# Altium PCB PCB4.PcbDoc (part 9 of 12)
Units mil, origin at the board's own origin, x right, y up, seen from the top; angles counter-clockwise.
Board outline 9204.7 x 4350.39 mil, 4 copper layers (Top Layer, Layer 1, Layer 2, Bottom Layer), stack 23.756 mil thick; 1824 components, 1732 nets, 6090 pads, 1022 vias.
Unrouted connection lines stored in the file: 2463.
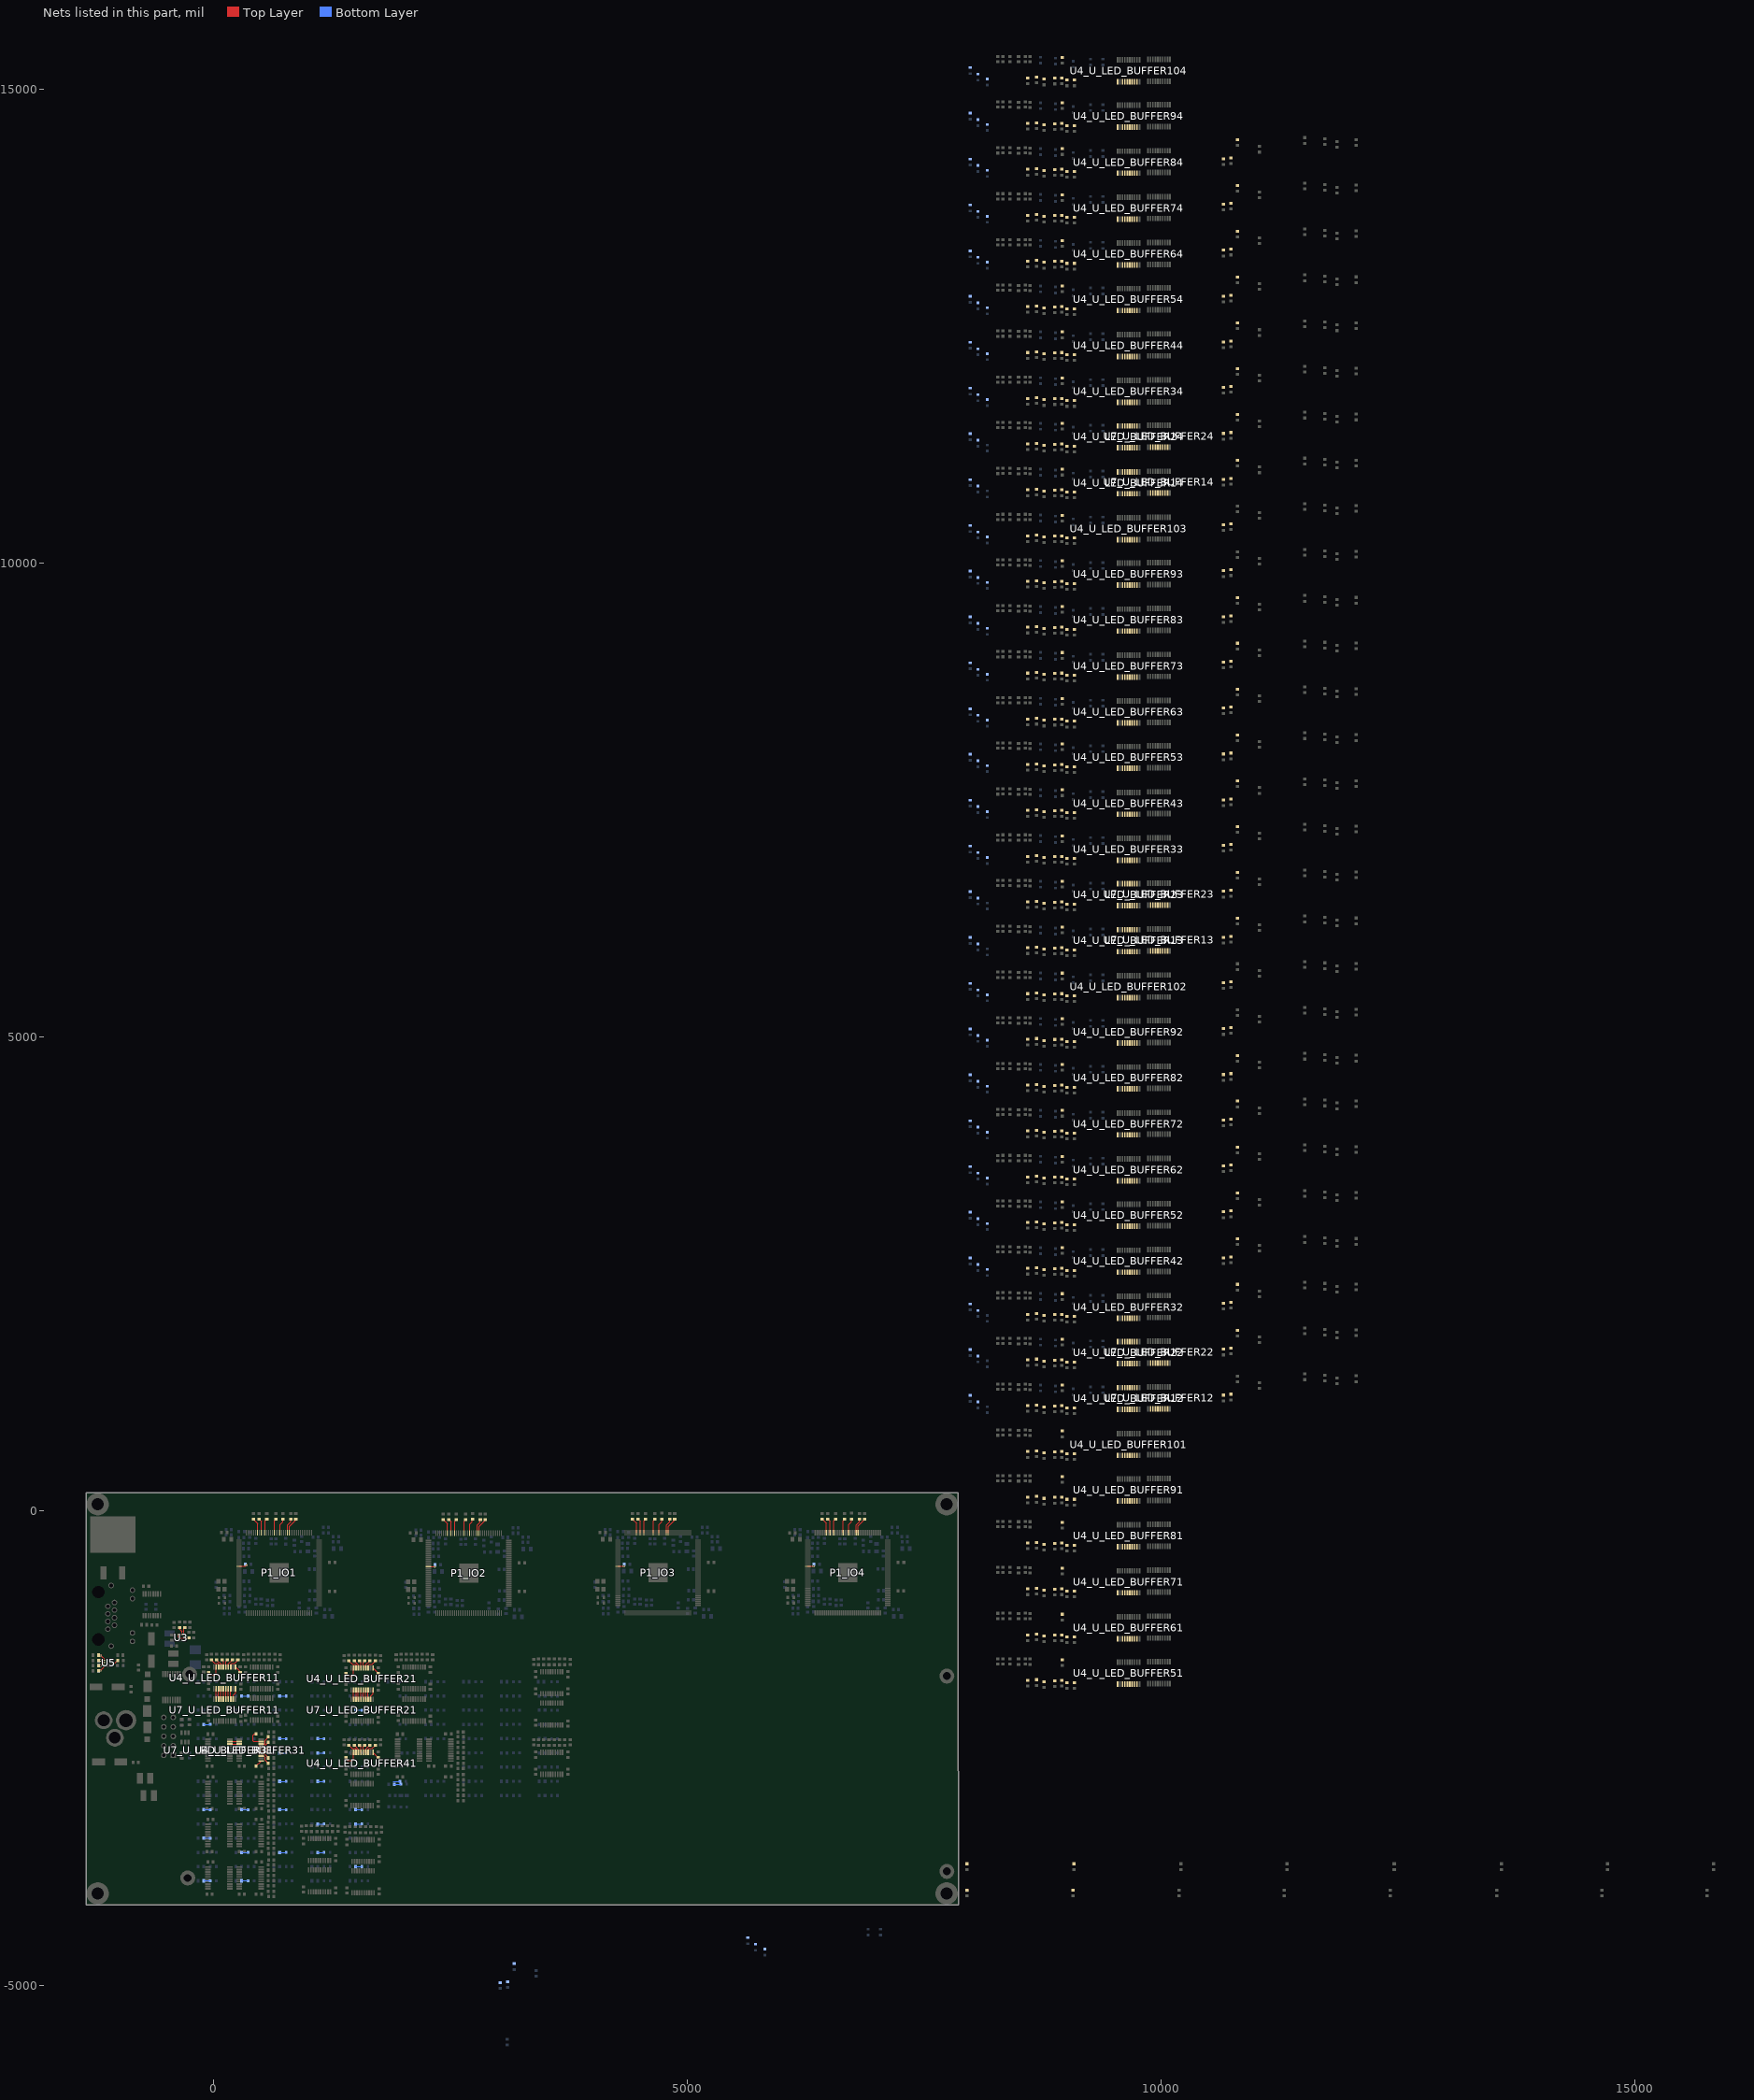
[diagram p11: the nets of this part, all layers, seen from the top]

## Via types
v1: diameter 24, hole 12, Top Layer to Bottom Layer, 1022 vias

## Nets (pads, with @x,y where several pads share a name; then routed paths per layer and width w, separated by ;. In a path a pad name is that pad's centre, name@x,y a point inside that pad or via, vN(x,y) a via of type N, cw(c..) or ccw(c..) an arc to the next point about the centre after c; other vN are vias at no path point) (continued)
NetD12_U_LED_BUFFER33_2: D12_U_LED_BUFFER33.2 R27_U_LED_BUFFER33.1
NetD12_U_LED_BUFFER34_2: D12_U_LED_BUFFER34.2 R27_U_LED_BUFFER34.1
NetD12_U_LED_BUFFER41_2: D12_U_LED_BUFFER41.2 R27_U_LED_BUFFER41.1 | length 68.5
  Bottom Layer w7: R27_U_LED_BUFFER41.1@1500,-3150 D12_U_LED_BUFFER41.2@1568.5,-3150
NetD12_U_LED_BUFFER42_2: D12_U_LED_BUFFER42.2 R27_U_LED_BUFFER42.1
NetD12_U_LED_BUFFER43_2: D12_U_LED_BUFFER43.2 R27_U_LED_BUFFER43.1
NetD12_U_LED_BUFFER44_2: D12_U_LED_BUFFER44.2 R27_U_LED_BUFFER44.1
NetD12_U_LED_BUFFER51_2: D12_U_LED_BUFFER51.2 R27_U_LED_BUFFER51.1 | length 68.5
  Bottom Layer w7: R27_U_LED_BUFFER51.1@700,-2850 D12_U_LED_BUFFER51.2@768.5,-2850
NetD12_U_LED_BUFFER52_2: D12_U_LED_BUFFER52.2 R27_U_LED_BUFFER52.1
NetD12_U_LED_BUFFER53_2: D12_U_LED_BUFFER53.2 R27_U_LED_BUFFER53.1
NetD12_U_LED_BUFFER54_2: D12_U_LED_BUFFER54.2 R27_U_LED_BUFFER54.1
NetD12_U_LED_BUFFER61_2: D12_U_LED_BUFFER61.2 R27_U_LED_BUFFER61.1 | length 68.5
  Bottom Layer w7: R27_U_LED_BUFFER61.1@-100,-3150 D12_U_LED_BUFFER61.2@-31.5,-3150
NetD12_U_LED_BUFFER62_2: D12_U_LED_BUFFER62.2 R27_U_LED_BUFFER62.1
NetD12_U_LED_BUFFER63_2: D12_U_LED_BUFFER63.2 R27_U_LED_BUFFER63.1
NetD12_U_LED_BUFFER64_2: D12_U_LED_BUFFER64.2 R27_U_LED_BUFFER64.1
NetD12_U_LED_BUFFER71_2: D12_U_LED_BUFFER71.2 R27_U_LED_BUFFER71.1 | length 68.5
  Bottom Layer w7: R27_U_LED_BUFFER71.1@1100,-3300 D12_U_LED_BUFFER71.2@1168.5,-3300
NetD12_U_LED_BUFFER72_2: D12_U_LED_BUFFER72.2 R27_U_LED_BUFFER72.1
NetD12_U_LED_BUFFER73_2: D12_U_LED_BUFFER73.2 R27_U_LED_BUFFER73.1
NetD12_U_LED_BUFFER74_2: D12_U_LED_BUFFER74.2 R27_U_LED_BUFFER74.1
NetD12_U_LED_BUFFER81_2: D12_U_LED_BUFFER81.2 R27_U_LED_BUFFER81.1 | length 68.5
  Bottom Layer w7: R27_U_LED_BUFFER81.1@300,-3600 D12_U_LED_BUFFER81.2@368.5,-3600
NetD12_U_LED_BUFFER82_2: D12_U_LED_BUFFER82.2 R27_U_LED_BUFFER82.1
NetD12_U_LED_BUFFER83_2: D12_U_LED_BUFFER83.2 R27_U_LED_BUFFER83.1
NetD12_U_LED_BUFFER84_2: D12_U_LED_BUFFER84.2 R27_U_LED_BUFFER84.1
NetD12_U_LED_BUFFER91_2: D12_U_LED_BUFFER91.2 R27_U_LED_BUFFER91.1 | length 68.5
  Bottom Layer w7: R27_U_LED_BUFFER91.1@1500,-3750 D12_U_LED_BUFFER91.2@1568.5,-3750
NetD12_U_LED_BUFFER92_2: D12_U_LED_BUFFER92.2 R27_U_LED_BUFFER92.1
NetD12_U_LED_BUFFER93_2: D12_U_LED_BUFFER93.2 R27_U_LED_BUFFER93.1
NetD12_U_LED_BUFFER94_2: D12_U_LED_BUFFER94.2 R27_U_LED_BUFFER94.1
NetD12_U_LED_BUFFER101_2: D12_U_LED_BUFFER101.2 R27_U_LED_BUFFER101.1
NetD12_U_LED_BUFFER102_2: D12_U_LED_BUFFER102.2 R27_U_LED_BUFFER102.1
NetD12_U_LED_BUFFER103_2: D12_U_LED_BUFFER103.2 R27_U_LED_BUFFER103.1
NetD12_U_LED_BUFFER104_2: D12_U_LED_BUFFER104.2 R27_U_LED_BUFFER104.1
NetD13_U_LED_BUFFER11_2: D13_U_LED_BUFFER11.2 R45_U_LED_BUFFER11.1 | length 68.5
  Bottom Layer w7: R45_U_LED_BUFFER11.1@300,-1950 D13_U_LED_BUFFER11.2@368.5,-1950
NetD13_U_LED_BUFFER12_2: D13_U_LED_BUFFER12.2 R45_U_LED_BUFFER12.1
NetD13_U_LED_BUFFER13_2: D13_U_LED_BUFFER13.2 R45_U_LED_BUFFER13.1
NetD13_U_LED_BUFFER14_2: D13_U_LED_BUFFER14.2 R45_U_LED_BUFFER14.1
NetD13_U_LED_BUFFER21_2: D13_U_LED_BUFFER21.2 R45_U_LED_BUFFER21.1 | length 68.5
  Bottom Layer w7: R45_U_LED_BUFFER21.1@1500,-2100 D13_U_LED_BUFFER21.2@1568.5,-2100
NetD13_U_LED_BUFFER22_2: D13_U_LED_BUFFER22.2 R45_U_LED_BUFFER22.1
NetD13_U_LED_BUFFER23_2: D13_U_LED_BUFFER23.2 R45_U_LED_BUFFER23.1
NetD13_U_LED_BUFFER24_2: D13_U_LED_BUFFER24.2 R45_U_LED_BUFFER24.1
NetD13_U_LED_BUFFER31_2: D13_U_LED_BUFFER31.2 R45_U_LED_BUFFER31.1 | length 68.5
  Bottom Layer w7: R45_U_LED_BUFFER31.1@700,-2400 D13_U_LED_BUFFER31.2@768.5,-2400
NetD13_U_LED_BUFFER32_2: D13_U_LED_BUFFER32.2 R45_U_LED_BUFFER32.1
NetD13_U_LED_BUFFER33_2: D13_U_LED_BUFFER33.2 R45_U_LED_BUFFER33.1
NetD13_U_LED_BUFFER34_2: D13_U_LED_BUFFER34.2 R45_U_LED_BUFFER34.1
NetD13_U_LED_BUFFER41_2: D13_U_LED_BUFFER41.2 R45_U_LED_BUFFER41.1 | length 68.5
  Bottom Layer w7: R45_U_LED_BUFFER41.1@1100,-2550 D13_U_LED_BUFFER41.2@1168.5,-2550
NetD13_U_LED_BUFFER42_2: D13_U_LED_BUFFER42.2 R45_U_LED_BUFFER42.1
NetD13_U_LED_BUFFER43_2: D13_U_LED_BUFFER43.2 R45_U_LED_BUFFER43.1
NetD13_U_LED_BUFFER44_2: D13_U_LED_BUFFER44.2 R45_U_LED_BUFFER44.1
NetD13_U_LED_BUFFER51_2: D13_U_LED_BUFFER51.2 R45_U_LED_BUFFER51.1 | length 68.5
  Bottom Layer w7: R45_U_LED_BUFFER51.1@1100,-2850 D13_U_LED_BUFFER51.2@1168.5,-2850
NetD13_U_LED_BUFFER52_2: D13_U_LED_BUFFER52.2 R45_U_LED_BUFFER52.1
NetD13_U_LED_BUFFER53_2: D13_U_LED_BUFFER53.2 R45_U_LED_BUFFER53.1
NetD13_U_LED_BUFFER54_2: D13_U_LED_BUFFER54.2 R45_U_LED_BUFFER54.1
NetD13_U_LED_BUFFER61_2: D13_U_LED_BUFFER61.2 R45_U_LED_BUFFER61.1 | length 68.5
  Bottom Layer w7: R45_U_LED_BUFFER61.1@300,-3150 D13_U_LED_BUFFER61.2@368.5,-3150
NetD13_U_LED_BUFFER62_2: D13_U_LED_BUFFER62.2 R45_U_LED_BUFFER62.1
NetD13_U_LED_BUFFER63_2: D13_U_LED_BUFFER63.2 R45_U_LED_BUFFER63.1
NetD13_U_LED_BUFFER64_2: D13_U_LED_BUFFER64.2 R45_U_LED_BUFFER64.1
NetD13_U_LED_BUFFER71_2: D13_U_LED_BUFFER71.2 R45_U_LED_BUFFER71.1 | length 68.5
  Bottom Layer w7: R45_U_LED_BUFFER71.1@1500,-3300 D13_U_LED_BUFFER71.2@1568.5,-3300
NetD13_U_LED_BUFFER72_2: D13_U_LED_BUFFER72.2 R45_U_LED_BUFFER72.1
NetD13_U_LED_BUFFER73_2: D13_U_LED_BUFFER73.2 R45_U_LED_BUFFER73.1
NetD13_U_LED_BUFFER74_2: D13_U_LED_BUFFER74.2 R45_U_LED_BUFFER74.1
NetD13_U_LED_BUFFER81_2: D13_U_LED_BUFFER81.2 R45_U_LED_BUFFER81.1 | length 68.5
  Bottom Layer w7: R45_U_LED_BUFFER81.1@700,-3600 D13_U_LED_BUFFER81.2@768.5,-3600
NetD13_U_LED_BUFFER82_2: D13_U_LED_BUFFER82.2 R45_U_LED_BUFFER82.1
NetD13_U_LED_BUFFER83_2: D13_U_LED_BUFFER83.2 R45_U_LED_BUFFER83.1
NetD13_U_LED_BUFFER84_2: D13_U_LED_BUFFER84.2 R45_U_LED_BUFFER84.1
NetD13_U_LED_BUFFER91_2: D13_U_LED_BUFFER91.2 R45_U_LED_BUFFER91.1 | length 68.5
  Bottom Layer w7: R45_U_LED_BUFFER91.1@-100,-3900 D13_U_LED_BUFFER91.2@-31.5,-3900
NetD13_U_LED_BUFFER92_2: D13_U_LED_BUFFER92.2 R45_U_LED_BUFFER92.1
NetD13_U_LED_BUFFER93_2: D13_U_LED_BUFFER93.2 R45_U_LED_BUFFER93.1
NetD13_U_LED_BUFFER94_2: D13_U_LED_BUFFER94.2 R45_U_LED_BUFFER94.1
NetD13_U_LED_BUFFER101_2: D13_U_LED_BUFFER101.2 R45_U_LED_BUFFER101.1
NetD13_U_LED_BUFFER102_2: D13_U_LED_BUFFER102.2 R45_U_LED_BUFFER102.1
NetD13_U_LED_BUFFER103_2: D13_U_LED_BUFFER103.2 R45_U_LED_BUFFER103.1
NetD13_U_LED_BUFFER104_2: D13_U_LED_BUFFER104.2 R45_U_LED_BUFFER104.1
NetD14_U_LED_BUFFER11_2: D14_U_LED_BUFFER11.2 R46_U_LED_BUFFER11.1 | length 68.5
  Bottom Layer w7: R46_U_LED_BUFFER11.1@700,-1950 D14_U_LED_BUFFER11.2@768.5,-1950
NetD14_U_LED_BUFFER12_2: D14_U_LED_BUFFER12.2 R46_U_LED_BUFFER12.1
NetD14_U_LED_BUFFER13_2: D14_U_LED_BUFFER13.2 R46_U_LED_BUFFER13.1
NetD14_U_LED_BUFFER14_2: D14_U_LED_BUFFER14.2 R46_U_LED_BUFFER14.1
NetD14_U_LED_BUFFER21_2: D14_U_LED_BUFFER21.2 R46_U_LED_BUFFER21.1 | length 68.5
  Bottom Layer w7: R46_U_LED_BUFFER21.1@-100,-2250 D14_U_LED_BUFFER21.2@-31.5,-2250
NetD14_U_LED_BUFFER22_2: D14_U_LED_BUFFER22.2 R46_U_LED_BUFFER22.1
NetD14_U_LED_BUFFER23_2: D14_U_LED_BUFFER23.2 R46_U_LED_BUFFER23.1
NetD14_U_LED_BUFFER24_2: D14_U_LED_BUFFER24.2 R46_U_LED_BUFFER24.1
NetD14_U_LED_BUFFER31_2: D14_U_LED_BUFFER31.2 R46_U_LED_BUFFER31.1 | length 68.5
  Bottom Layer w7: R46_U_LED_BUFFER31.1@1100,-2400 D14_U_LED_BUFFER31.2@1168.5,-2400
NetD14_U_LED_BUFFER32_2: D14_U_LED_BUFFER32.2 R46_U_LED_BUFFER32.1
NetD14_U_LED_BUFFER33_2: D14_U_LED_BUFFER33.2 R46_U_LED_BUFFER33.1
NetD14_U_LED_BUFFER34_2: D14_U_LED_BUFFER34.2 R46_U_LED_BUFFER34.1
NetD14_U_LED_BUFFER41_2: D14_U_LED_BUFFER41.2 R46_U_LED_BUFFER41.1 | length 68.5
  Bottom Layer w7: R46_U_LED_BUFFER41.1@700,-2550 D14_U_LED_BUFFER41.2@768.5,-2550
NetD14_U_LED_BUFFER42_2: D14_U_LED_BUFFER42.2 R46_U_LED_BUFFER42.1
NetD14_U_LED_BUFFER43_2: D14_U_LED_BUFFER43.2 R46_U_LED_BUFFER43.1
NetD14_U_LED_BUFFER44_2: D14_U_LED_BUFFER44.2 R46_U_LED_BUFFER44.1
NetD14_U_LED_BUFFER51_2: D10_U_LED_BUFFER51_1.2 D14_U_LED_BUFFER51.2 R46_U_LED_BUFFER51.1 | length 137
  Bottom Layer w7: 1900,-2850 D10_U_LED_BUFFER51_1.2@1968.5,-2850 ; R46_U_LED_BUFFER51.1@1910,-2880 D14_U_LED_BUFFER51.2@1978.5,-2880
NetD14_U_LED_BUFFER52_2: D14_U_LED_BUFFER52.2 R46_U_LED_BUFFER52.1
NetD14_U_LED_BUFFER53_2: D14_U_LED_BUFFER53.2 R46_U_LED_BUFFER53.1
NetD14_U_LED_BUFFER54_2: D14_U_LED_BUFFER54.2 R46_U_LED_BUFFER54.1
NetD14_U_LED_BUFFER61_2: D14_U_LED_BUFFER61.2 R46_U_LED_BUFFER61.1 | length 68.5
  Bottom Layer w7: R46_U_LED_BUFFER61.1@700,-3150 D14_U_LED_BUFFER61.2@768.5,-3150
NetD14_U_LED_BUFFER62_2: D14_U_LED_BUFFER62.2 R46_U_LED_BUFFER62.1
NetD14_U_LED_BUFFER63_2: D14_U_LED_BUFFER63.2 R46_U_LED_BUFFER63.1
NetD14_U_LED_BUFFER64_2: D14_U_LED_BUFFER64.2 R46_U_LED_BUFFER64.1
NetD14_U_LED_BUFFER71_2: D14_U_LED_BUFFER71.2 R46_U_LED_BUFFER71.1 | length 68.5
  Bottom Layer w7: R46_U_LED_BUFFER71.1@-100,-3450 D14_U_LED_BUFFER71.2@-31.5,-3450
NetD14_U_LED_BUFFER72_2: D14_U_LED_BUFFER72.2 R46_U_LED_BUFFER72.1
NetD14_U_LED_BUFFER73_2: D14_U_LED_BUFFER73.2 R46_U_LED_BUFFER73.1
NetD14_U_LED_BUFFER74_2: D14_U_LED_BUFFER74.2 R46_U_LED_BUFFER74.1
NetD14_U_LED_BUFFER81_2: D14_U_LED_BUFFER81.2 R46_U_LED_BUFFER81.1 | length 68.5
  Bottom Layer w7: R46_U_LED_BUFFER81.1@1100,-3600 D14_U_LED_BUFFER81.2@1168.5,-3600
NetD14_U_LED_BUFFER82_2: D14_U_LED_BUFFER82.2 R46_U_LED_BUFFER82.1
NetD14_U_LED_BUFFER83_2: D14_U_LED_BUFFER83.2 R46_U_LED_BUFFER83.1
NetD14_U_LED_BUFFER84_2: D14_U_LED_BUFFER84.2 R46_U_LED_BUFFER84.1
NetD14_U_LED_BUFFER91_2: D14_U_LED_BUFFER91.2 R46_U_LED_BUFFER91.1 | length 68.5
  Bottom Layer w7: R46_U_LED_BUFFER91.1@300,-3900 D14_U_LED_BUFFER91.2@368.5,-3900
NetD14_U_LED_BUFFER92_2: D14_U_LED_BUFFER92.2 R46_U_LED_BUFFER92.1
NetD14_U_LED_BUFFER93_2: D14_U_LED_BUFFER93.2 R46_U_LED_BUFFER93.1
NetD14_U_LED_BUFFER94_2: D14_U_LED_BUFFER94.2 R46_U_LED_BUFFER94.1
NetD14_U_LED_BUFFER101_2: D14_U_LED_BUFFER101.2 R46_U_LED_BUFFER101.1
NetD14_U_LED_BUFFER102_2: D14_U_LED_BUFFER102.2 R46_U_LED_BUFFER102.1
NetD14_U_LED_BUFFER103_2: D14_U_LED_BUFFER103.2 R46_U_LED_BUFFER103.1
NetD14_U_LED_BUFFER104_2: D14_U_LED_BUFFER104.2 R46_U_LED_BUFFER104.1
NetP1_IO1_15: P1_IO1.15 R1_IO1.2 | length 85.1
  Top Layer w10: P1_IO1.15@270.71,-582.16 338.55,-582.16 349.19,-571.52 v1(351.41,-571.52)
NetP1_IO1_121: P1_IO1.121 R7_IO1.2 | length 174.1
  Top Layer w10: P1_IO1.121@801.73,-228.3 801.73,-159.27 875.7,-85.3 R7_IO1.2@876.2,-85.3
NetP1_IO1_122: P1_IO1.122 R6_IO1.2 | length 157.1
  Top Layer w10: P1_IO1.122@782.05,-228.3 782.05,-145.59 816.2,-111.44 R6_IO1.2@816.2,-85.3
NetP1_IO1_126: P1_IO1.126 R13_IO1.2 | length 158.2
  Top Layer w10: P1_IO1.126@703.31,-228.3 704.01,-227.6 704.01,-142.71 735.2,-111.52 R13_IO1.2@735.2,-83.3
NetP1_IO1_129: P1_IO1.129 R5_IO1.2 | length 150
  Top Layer w10: P1_IO1.129@644.25,-228.3 644.25,-102.24 R5_IO1.2@661.2,-85.3
NetP1_IO1_134: P1_IO1.134 R4_IO1.2 | length 150.6
  Top Layer w10: P1_IO1.134@545.83,-228.3 545.83,-103.67 R4_IO1.2@564.2,-85.3
NetP1_IO1_136: P1_IO1.136 R3_IO1.2 | length 152.6
  Top Layer w10: R3_IO1.2@483.2,-85.3 506.46,-108.56 P1_IO1.136@506.46,-228.3
NetP1_IO1_138: P1_IO1.138 R2_IO1.2 | length 161.2
  Top Layer w10: R2_IO1.2@423.2,-85.3 467.09,-129.19 P1_IO1.138@467.09,-228.3
NetP1_IO2_15: P1_IO2.15 R1_IO2.2 | length 64.2
  Top Layer w10: P1_IO2.15@2271.81,-584.76 2333.55,-584.76 v1(2335.3,-583.01)
NetP1_IO2_121: P1_IO2.121 R7_IO2.2 | length 174.1
  Top Layer w10: P1_IO2.121@2802.83,-230.9 2802.83,-161.87 2876.8,-87.9 R7_IO2.2@2877.3,-87.9
NetP1_IO2_122: P1_IO2.122 R6_IO2.2 | length 157.1
  Top Layer w10: P1_IO2.122@2783.15,-230.9 2783.15,-148.19 2817.3,-114.04 R6_IO2.2@2817.3,-87.9
NetP1_IO2_126: P1_IO2.126 R13_IO2.2 | length 158.2
  Top Layer w10: P1_IO2.126@2704.41,-230.9 2705.11,-230.2 2705.11,-135.49 2730.55,-110.04 2730.55,-91.64 R13_IO2.2@2736.3,-85.9
NetP1_IO2_129: P1_IO2.129 R5_IO2.2 | length 150
  Top Layer w10: P1_IO2.129@2645.35,-230.9 2645.35,-104.84 R5_IO2.2@2662.3,-87.9
NetP1_IO2_134: P1_IO2.134 R4_IO2.2 | length 150.6
  Top Layer w10: P1_IO2.134@2546.93,-230.9 2546.93,-106.27 R4_IO2.2@2565.3,-87.9
NetP1_IO2_136: P1_IO2.136 R3_IO2.2 | length 152.6
  Top Layer w10: R3_IO2.2@2484.3,-87.9 2507.56,-111.16 P1_IO2.136@2507.56,-230.9
NetP1_IO2_138: P1_IO2.138 R2_IO2.2 | length 161.2
  Top Layer w10: R2_IO2.2@2424.3,-87.9 2468.19,-131.79 P1_IO2.138@2468.19,-230.9
NetP1_IO3_15: P1_IO3.15 R1_IO3.2 | length 64.2
  Top Layer w10: P1_IO3.15@4268.71,-581.31 4330.45,-581.31 v1(4332.2,-579.56)
NetP1_IO3_121: P1_IO3.121 R7_IO3.2 | length 174.1
  Top Layer w10: P1_IO3.121@4799.73,-227.45 4799.73,-158.42 4873.7,-84.45 R7_IO3.2@4874.2,-84.45
NetP1_IO3_122: P1_IO3.122 R6_IO3.2 | length 157.1
  Top Layer w10: P1_IO3.122@4780.05,-227.45 4780.05,-144.74 4814.2,-110.59 R6_IO3.2@4814.2,-84.45
NetP1_IO3_126: P1_IO3.126 R13_IO3.2 | length 158.2
  Top Layer w10: P1_IO3.126@4701.31,-227.45 4702.01,-226.75 4702.01,-141.86 4733.2,-110.67 R13_IO3.2@4733.2,-82.45
NetP1_IO3_129: P1_IO3.129 R5_IO3.2 | length 150
  Top Layer w10: P1_IO3.129@4642.25,-227.45 4642.25,-101.39 R5_IO3.2@4659.2,-84.45
NetP1_IO3_134: P1_IO3.134 R4_IO3.2 | length 150.6
  Top Layer w10: P1_IO3.134@4543.83,-227.45 4543.83,-102.82 R4_IO3.2@4562.2,-84.45
NetP1_IO3_136: P1_IO3.136 R3_IO3.2 | length 152.6
  Top Layer w10: R3_IO3.2@4481.2,-84.45 4504.46,-107.71 P1_IO3.136@4504.46,-227.45
NetP1_IO3_138: P1_IO3.138 R2_IO3.2 | length 161.2
  Top Layer w10: R2_IO3.2@4421.2,-84.45 4465.09,-128.34 P1_IO3.138@4465.09,-227.45
NetP1_IO4_15: P1_IO4.15 R1_IO4.2 | length 64.2
  Top Layer w10: P1_IO4.15@6271.71,-581.16 6333.45,-581.16 v1(6335.2,-579.41)
NetP1_IO4_121: P1_IO4.121 R7_IO4.2 | length 174.1
  Top Layer w10: P1_IO4.121@6802.73,-227.3 6802.73,-158.27 6876.7,-84.3 R7_IO4.2@6877.2,-84.3
NetP1_IO4_122: P1_IO4.122 R6_IO4.2 | length 157.1
  Top Layer w10: P1_IO4.122@6783.05,-227.3 6783.05,-144.59 6817.2,-110.44 R6_IO4.2@6817.2,-84.3
NetP1_IO4_126: P1_IO4.126 R13_IO4.2 | length 158.2
  Top Layer w10: P1_IO4.126@6704.31,-227.3 6705.01,-226.6 6705.01,-141.71 6736.2,-110.52 R13_IO4.2@6736.2,-82.3
NetP1_IO4_129: P1_IO4.129 R5_IO4.2 | length 150
  Top Layer w10: P1_IO4.129@6645.25,-227.3 6645.25,-101.24 R5_IO4.2@6662.2,-84.3
NetP1_IO4_134: P1_IO4.134 R4_IO4.2 | length 150.6
  Top Layer w10: P1_IO4.134@6546.83,-227.3 6546.83,-102.67 R4_IO4.2@6565.2,-84.3
NetP1_IO4_136: P1_IO4.136 R3_IO4.2 | length 152.6
  Top Layer w10: R3_IO4.2@6484.2,-84.3 6507.46,-107.56 P1_IO4.136@6507.46,-227.3
NetP1_IO4_138: P1_IO4.138 R2_IO4.2 | length 161.2
  Top Layer w10: R2_IO4.2@6424.2,-84.3 6468.09,-128.19 P1_IO4.138@6468.09,-227.3
NetR15_1: R15.1 U3.6 | length 84.2
  Top Layer w12: R15.1@-357.12,-1229.6 -357.12,-1243.67 -330.59,-1270.2 U3.6@-330.59,-1302.82
NetR16_1: R16.1 U3.5 | length 76.9
  Top Layer w12: U3.5@-310.9,-1302.82 -310.9,-1238.5 R16.1@-302,-1229.6
NetR28_2: R28.2 U3.8 | length 149.9
  Top Layer w12: U3.8@-369.96,-1302.82 -370,-1302.86 -370,-1327.76 -357.54,-1340.22 R28.2@-250.18,-1340.22
NetR35_2: R35.2 R38.2 U5.5 | length 46.3
  Top Layer w7: v1(-1189.86,-1629.02) -1171.48,-1610.64 U5.5@-1151.16,-1610.64
NetR36_1: R36.1 R39.1 U5.6 | length 71.6
  Top Layer w7: v1(-1191.36,-1685.22) -1151.16,-1645.02 U5.6@-1151.16,-1630.33
NetR40_1: R40.1 U5.10 | length 66
  Top Layer w7: U5.10@-1060.61,-1610.64 -1045.94,-1610.64 R40.1@-1009.66,-1574.36
NetR41_2: R41.2 R43.2 U5.4 | length 46
  Top Layer w7: v1(-1190.06,-1573.82) -1172.93,-1590.96 U5.4@-1151.16,-1590.96
NetR42_1: R42.1 R44.1 U5.3 | length 66.7
  Top Layer w7: v1(-1187.96,-1519.82) -1151.16,-1556.63 U5.3@-1151.16,-1571.27
NetR47_U_LED_BUFFER11_1: R47_U_LED_BUFFER11.1 U4_U_LED_BUFFER11.1 | length 78.4
  Top Layer w7: U4_U_LED_BUFFER11.1@235.16,-1644.33 250.41,-1659.59 250.41,-1660.41 R47_U_LED_BUFFER11.1@290,-1700
NetR47_U_LED_BUFFER12_1: R47_U_LED_BUFFER12.1 U4_U_LED_BUFFER12.1
NetR47_U_LED_BUFFER13_1: R47_U_LED_BUFFER13.1 U4_U_LED_BUFFER13.1
NetR47_U_LED_BUFFER14_1: R47_U_LED_BUFFER14.1 U4_U_LED_BUFFER14.1
NetR47_U_LED_BUFFER21_1: R47_U_LED_BUFFER21.1 U4_U_LED_BUFFER21.1 | length 78.4
  Top Layer w7: U4_U_LED_BUFFER21.1@1685.16,-1654.33 1740,-1709.17 R47_U_LED_BUFFER21.1@1740,-1710
NetR47_U_LED_BUFFER22_1: R47_U_LED_BUFFER22.1 U4_U_LED_BUFFER22.1
NetR47_U_LED_BUFFER23_1: R47_U_LED_BUFFER23.1 U4_U_LED_BUFFER23.1
NetR47_U_LED_BUFFER24_1: R47_U_LED_BUFFER24.1 U4_U_LED_BUFFER24.1
NetR47_U_LED_BUFFER31_1: R47_U_LED_BUFFER31.1 U4_U_LED_BUFFER31.1 | length 78.4
  Top Layer w7: R47_U_LED_BUFFER31.1@450,-2690 450.83,-2690 U4_U_LED_BUFFER31.1@505.67,-2635.16
NetR47_U_LED_BUFFER32_1: R47_U_LED_BUFFER32.1 U4_U_LED_BUFFER32.1
NetR47_U_LED_BUFFER33_1: R47_U_LED_BUFFER33.1 U4_U_LED_BUFFER33.1
NetR47_U_LED_BUFFER34_1: R47_U_LED_BUFFER34.1 U4_U_LED_BUFFER34.1
NetR47_U_LED_BUFFER41_1: R47_U_LED_BUFFER41.1 U4_U_LED_BUFFER41.1 | length 78.4
  Top Layer w7: U4_U_LED_BUFFER41.1@1685.16,-2544.33 1740,-2599.17 R47_U_LED_BUFFER41.1@1740,-2600
NetR47_U_LED_BUFFER42_1: R47_U_LED_BUFFER42.1 U4_U_LED_BUFFER42.1
NetR47_U_LED_BUFFER43_1: R47_U_LED_BUFFER43.1 U4_U_LED_BUFFER43.1
NetR47_U_LED_BUFFER44_1: R47_U_LED_BUFFER44.1 U4_U_LED_BUFFER44.1
NetR47_U_LED_BUFFER51_1: R47_U_LED_BUFFER51.1 U4_U_LED_BUFFER51.1
NetR47_U_LED_BUFFER52_1: R47_U_LED_BUFFER52.1 U4_U_LED_BUFFER52.1
NetR47_U_LED_BUFFER53_1: R47_U_LED_BUFFER53.1 U4_U_LED_BUFFER53.1
NetR47_U_LED_BUFFER54_1: R47_U_LED_BUFFER54.1 U4_U_LED_BUFFER54.1
NetR47_U_LED_BUFFER61_1: R47_U_LED_BUFFER61.1 U4_U_LED_BUFFER61.1
NetR47_U_LED_BUFFER62_1: R47_U_LED_BUFFER62.1 U4_U_LED_BUFFER62.1
NetR47_U_LED_BUFFER63_1: R47_U_LED_BUFFER63.1 U4_U_LED_BUFFER63.1
NetR47_U_LED_BUFFER64_1: R47_U_LED_BUFFER64.1 U4_U_LED_BUFFER64.1
NetR47_U_LED_BUFFER71_1: R47_U_LED_BUFFER71.1 U4_U_LED_BUFFER71.1
NetR47_U_LED_BUFFER72_1: R47_U_LED_BUFFER72.1 U4_U_LED_BUFFER72.1
NetR47_U_LED_BUFFER73_1: R47_U_LED_BUFFER73.1 U4_U_LED_BUFFER73.1
NetR47_U_LED_BUFFER74_1: R47_U_LED_BUFFER74.1 U4_U_LED_BUFFER74.1
NetR47_U_LED_BUFFER81_1: R47_U_LED_BUFFER81.1 U4_U_LED_BUFFER81.1
NetR47_U_LED_BUFFER82_1: R47_U_LED_BUFFER82.1 U4_U_LED_BUFFER82.1
NetR47_U_LED_BUFFER83_1: R47_U_LED_BUFFER83.1 U4_U_LED_BUFFER83.1
NetR47_U_LED_BUFFER84_1: R47_U_LED_BUFFER84.1 U4_U_LED_BUFFER84.1
NetR47_U_LED_BUFFER91_1: R47_U_LED_BUFFER91.1 U4_U_LED_BUFFER91.1
NetR47_U_LED_BUFFER92_1: R47_U_LED_BUFFER92.1 U4_U_LED_BUFFER92.1
NetR47_U_LED_BUFFER93_1: R47_U_LED_BUFFER93.1 U4_U_LED_BUFFER93.1
NetR47_U_LED_BUFFER94_1: R47_U_LED_BUFFER94.1 U4_U_LED_BUFFER94.1
NetR47_U_LED_BUFFER101_1: R47_U_LED_BUFFER101.1 U4_U_LED_BUFFER101.1
NetR47_U_LED_BUFFER102_1: R47_U_LED_BUFFER102.1 U4_U_LED_BUFFER102.1
NetR47_U_LED_BUFFER103_1: R47_U_LED_BUFFER103.1 U4_U_LED_BUFFER103.1
NetR47_U_LED_BUFFER104_1: R47_U_LED_BUFFER104.1 U4_U_LED_BUFFER104.1
NetR48_U_LED_BUFFER11_1: R48_U_LED_BUFFER11.1 U4_U_LED_BUFFER11.3 | length 122.9
  Top Layer w7: U4_U_LED_BUFFER11.3@183.98,-1644.33 183.98,-1616.02 196.53,-1603.47 226.53,-1603.47 258.89,-1571.11 R48_U_LED_BUFFER11.1@258.89,-1570
NetR48_U_LED_BUFFER12_1: R48_U_LED_BUFFER12.1 U4_U_LED_BUFFER12.3
NetR48_U_LED_BUFFER13_1: R48_U_LED_BUFFER13.1 U4_U_LED_BUFFER13.3
NetR48_U_LED_BUFFER14_1: R48_U_LED_BUFFER14.1 U4_U_LED_BUFFER14.3
NetR48_U_LED_BUFFER21_1: R48_U_LED_BUFFER21.1 U4_U_LED_BUFFER21.3 | length 122.9
  Top Layer w7: U4_U_LED_BUFFER21.3@1633.98,-1654.33 1633.98,-1626.02 1646.53,-1613.47 1676.53,-1613.47 1708.89,-1581.11 R48_U_LED_BUFFER21.1@1708.89,-1580
NetR48_U_LED_BUFFER22_1: R48_U_LED_BUFFER22.1 U4_U_LED_BUFFER22.3
NetR48_U_LED_BUFFER23_1: R48_U_LED_BUFFER23.1 U4_U_LED_BUFFER23.3
NetR48_U_LED_BUFFER24_1: R48_U_LED_BUFFER24.1 U4_U_LED_BUFFER24.3
NetR48_U_LED_BUFFER31_1: R48_U_LED_BUFFER31.1 U4_U_LED_BUFFER31.3 | length 122.9
  Top Layer w7: U4_U_LED_BUFFER31.3@505.67,-2583.98 533.98,-2583.98 546.53,-2596.53 546.53,-2626.53 578.89,-2658.89 R48_U_LED_BUFFER31.1@580,-2658.89
NetR48_U_LED_BUFFER32_1: R48_U_LED_BUFFER32.1 U4_U_LED_BUFFER32.3
NetR48_U_LED_BUFFER33_1: R48_U_LED_BUFFER33.1 U4_U_LED_BUFFER33.3
NetR48_U_LED_BUFFER34_1: R48_U_LED_BUFFER34.1 U4_U_LED_BUFFER34.3
NetR48_U_LED_BUFFER41_1: R48_U_LED_BUFFER41.1 U4_U_LED_BUFFER41.3 | length 122.9
  Top Layer w7: U4_U_LED_BUFFER41.3@1633.98,-2544.33 1633.98,-2516.02 1646.53,-2503.47 1676.53,-2503.47 1708.89,-2471.11 R48_U_LED_BUFFER41.1@1708.89,-2470
NetR48_U_LED_BUFFER42_1: R48_U_LED_BUFFER42.1 U4_U_LED_BUFFER42.3
NetR48_U_LED_BUFFER43_1: R48_U_LED_BUFFER43.1 U4_U_LED_BUFFER43.3
NetR48_U_LED_BUFFER44_1: R48_U_LED_BUFFER44.1 U4_U_LED_BUFFER44.3
NetR48_U_LED_BUFFER51_1: R48_U_LED_BUFFER51.1 U4_U_LED_BUFFER51.3